# Altium PCB PCB5.PcbDoc (part 13 of 16) (continued)
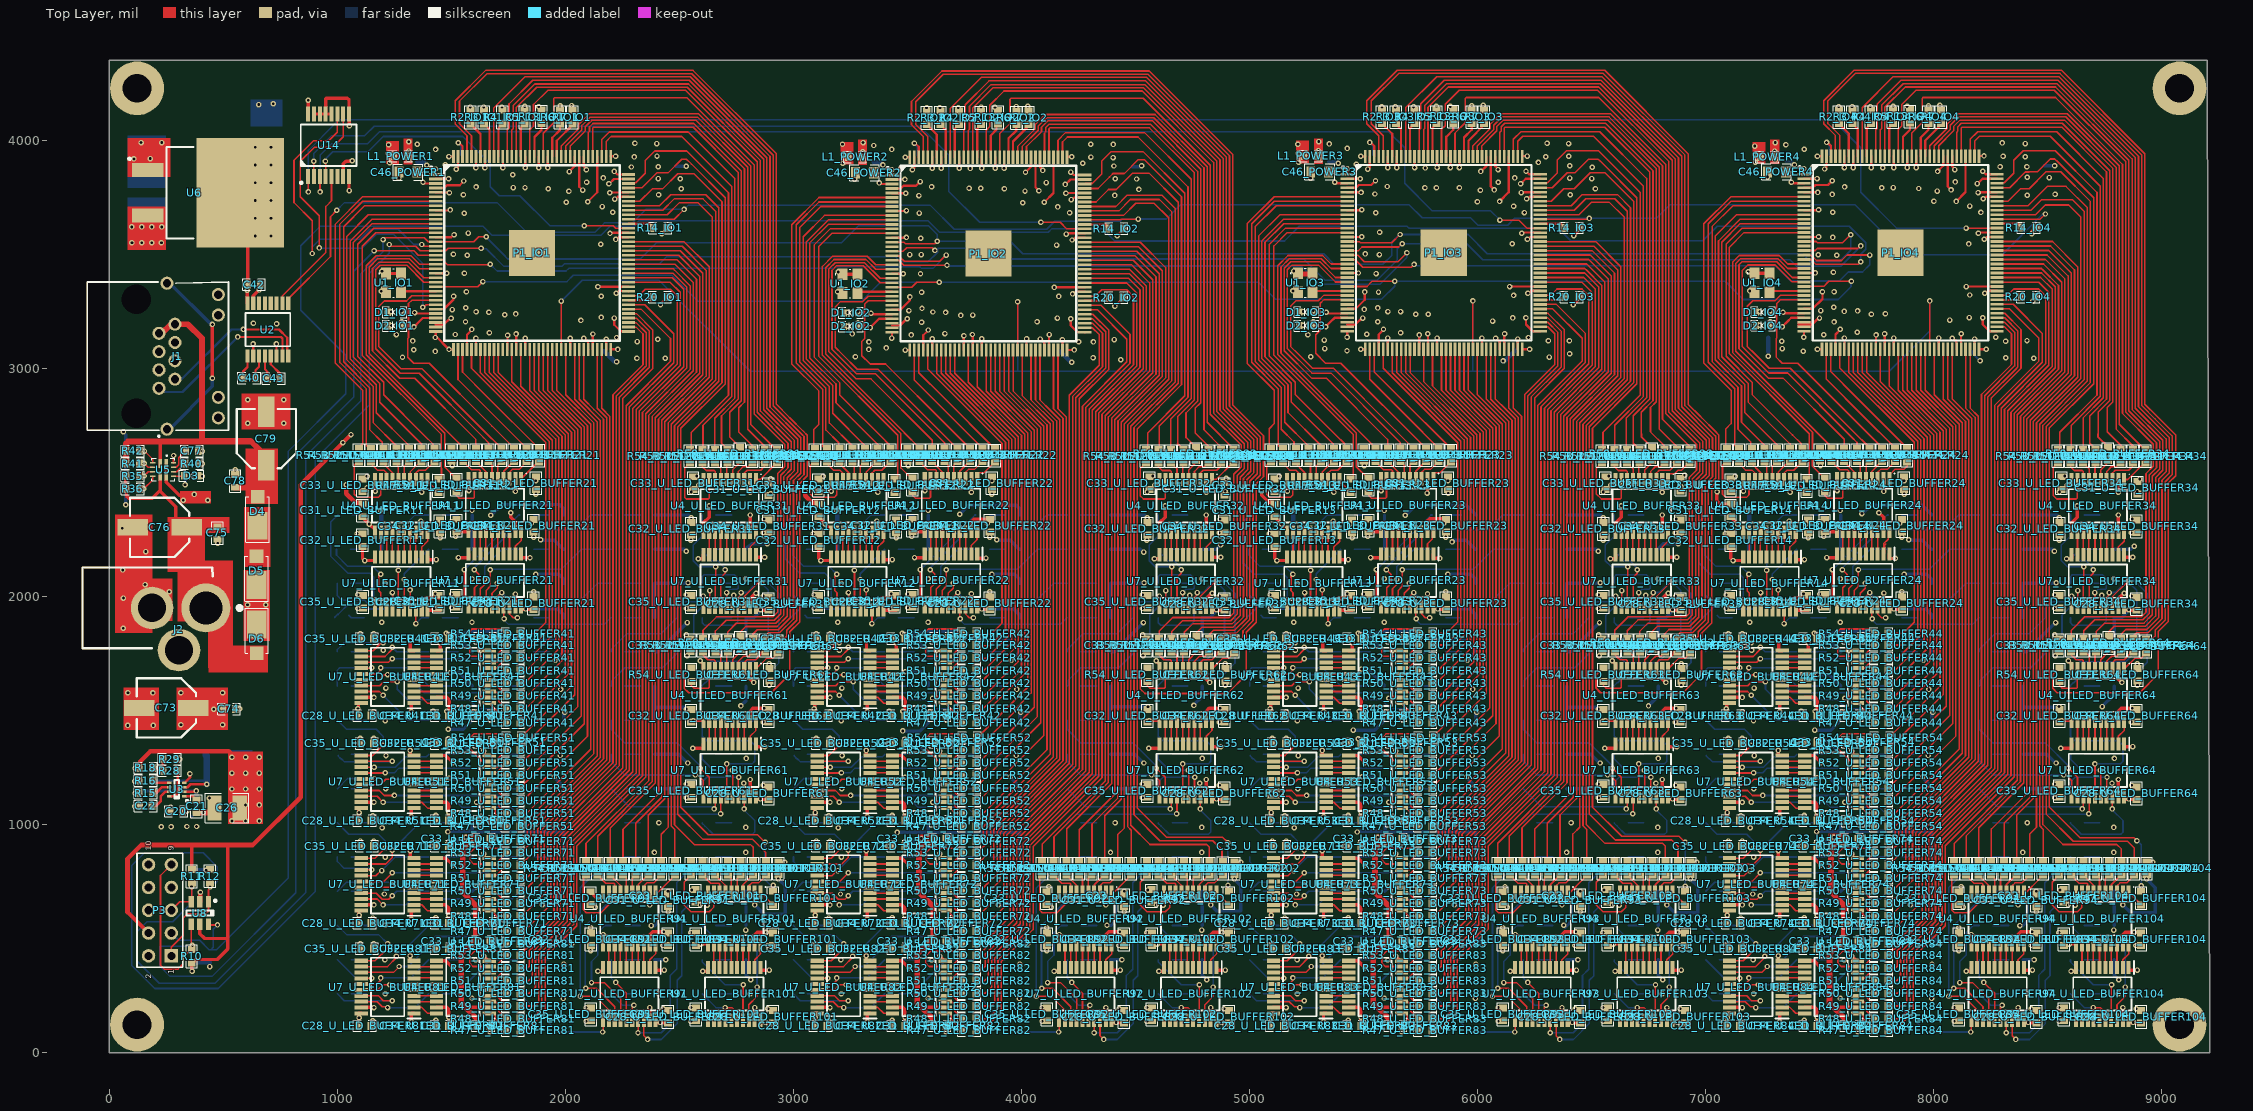
[diagram p0: Top Layer view]
## Nets (pads, with @x,y where several pads share a name; then routed paths per layer and width w, separated by ;. In a path a pad name is that pad's centre, name@x,y a point inside that pad or via, vN(x,y) a via of type N, cw(c..) or ccw(c..) an arc to the next point about the centre after c; other vN are vias at no path point) (continued)
NetU4_U_LED_BUFFER31_18: U4_U_LED_BUFFER31.18 U7_U_LED_BUFFER31.3 | length 98.7
  Top Layer w7: U7_U_LED_BUFFER31.3@2784.61,2182.83 U4_U_LED_BUFFER31.18@2784.61,2281.5
NetU4_U_LED_BUFFER31_20: U4_U_LED_BUFFER31.20 U7_U_LED_BUFFER31.2 | length 109.3
  Top Layer w7: U7_U_LED_BUFFER31.2@2810.2,2182.83 2810.2,2216.73 2835.79,2242.32 U4_U_LED_BUFFER31.20@2835.79,2281.5
NetU4_U_LED_BUFFER32_12: U4_U_LED_BUFFER32.12 U7_U_LED_BUFFER32.9 | length 98.7
  Top Layer w7: U7_U_LED_BUFFER32.9@4631.06,2182.83 U4_U_LED_BUFFER32.12@4631.06,2281.5
NetU4_U_LED_BUFFER32_13: U4_U_LED_BUFFER32.13 U7_U_LED_BUFFER32.8 | length 98.7
  Top Layer w7: U7_U_LED_BUFFER32.8@4656.66,2182.83 U4_U_LED_BUFFER32.13@4656.66,2281.5
NetU4_U_LED_BUFFER32_14: U4_U_LED_BUFFER32.14 U7_U_LED_BUFFER32.7 | length 98.7
  Top Layer w7: U7_U_LED_BUFFER32.7@4680.63,2178.5 U4_U_LED_BUFFER32.14@4680.63,2277.16
NetU4_U_LED_BUFFER32_15: U4_U_LED_BUFFER32.15 U7_U_LED_BUFFER32.6 | length 98.7
  Top Layer w7: U7_U_LED_BUFFER32.6@4707.84,2182.83 U4_U_LED_BUFFER32.15@4707.84,2281.5
NetU4_U_LED_BUFFER32_16: U4_U_LED_BUFFER32.16 U7_U_LED_BUFFER32.5 | length 98.7
  Top Layer w7: U7_U_LED_BUFFER32.5@4733.43,2182.83 U4_U_LED_BUFFER32.16@4733.43,2281.5
NetU4_U_LED_BUFFER32_17: U4_U_LED_BUFFER32.17 U7_U_LED_BUFFER32.4 | length 98.7
  Top Layer w7: U7_U_LED_BUFFER32.4@4759.02,2182.83 U4_U_LED_BUFFER32.17@4759.02,2281.5
NetU4_U_LED_BUFFER32_18: U4_U_LED_BUFFER32.18 U7_U_LED_BUFFER32.3 | length 98.7
  Top Layer w7: U7_U_LED_BUFFER32.3@4784.61,2182.83 U4_U_LED_BUFFER32.18@4784.61,2281.5
NetU4_U_LED_BUFFER32_20: U4_U_LED_BUFFER32.20 U7_U_LED_BUFFER32.2 | length 109.3
  Top Layer w7: U7_U_LED_BUFFER32.2@4810.2,2182.83 4810.2,2216.73 4835.79,2242.32 U4_U_LED_BUFFER32.20@4835.79,2281.5
NetU4_U_LED_BUFFER33_12: U4_U_LED_BUFFER33.12 U7_U_LED_BUFFER33.9 | length 98.7
  Top Layer w7: U7_U_LED_BUFFER33.9@6631.06,2182.83 U4_U_LED_BUFFER33.12@6631.06,2281.5
NetU4_U_LED_BUFFER33_13: U4_U_LED_BUFFER33.13 U7_U_LED_BUFFER33.8 | length 98.7
  Top Layer w7: U7_U_LED_BUFFER33.8@6656.66,2182.83 U4_U_LED_BUFFER33.13@6656.66,2281.5
NetU4_U_LED_BUFFER33_14: U4_U_LED_BUFFER33.14 U7_U_LED_BUFFER33.7 | length 98.7
  Top Layer w7: U7_U_LED_BUFFER33.7@6680.63,2178.5 U4_U_LED_BUFFER33.14@6680.63,2277.16
NetU4_U_LED_BUFFER33_15: U4_U_LED_BUFFER33.15 U7_U_LED_BUFFER33.6 | length 98.7
  Top Layer w7: U7_U_LED_BUFFER33.6@6707.84,2182.83 U4_U_LED_BUFFER33.15@6707.84,2281.5
NetU4_U_LED_BUFFER33_16: U4_U_LED_BUFFER33.16 U7_U_LED_BUFFER33.5 | length 98.7
  Top Layer w7: U7_U_LED_BUFFER33.5@6733.43,2182.83 U4_U_LED_BUFFER33.16@6733.43,2281.5
NetU4_U_LED_BUFFER33_17: U4_U_LED_BUFFER33.17 U7_U_LED_BUFFER33.4 | length 98.7
  Top Layer w7: U7_U_LED_BUFFER33.4@6759.02,2182.83 U4_U_LED_BUFFER33.17@6759.02,2281.5
NetU4_U_LED_BUFFER33_18: U4_U_LED_BUFFER33.18 U7_U_LED_BUFFER33.3 | length 98.7
  Top Layer w7: U7_U_LED_BUFFER33.3@6784.61,2182.83 U4_U_LED_BUFFER33.18@6784.61,2281.5
NetU4_U_LED_BUFFER33_20: U4_U_LED_BUFFER33.20 U7_U_LED_BUFFER33.2 | length 109.3
  Top Layer w7: U7_U_LED_BUFFER33.2@6810.2,2182.83 6810.2,2216.73 6835.79,2242.32 U4_U_LED_BUFFER33.20@6835.79,2281.5
NetU4_U_LED_BUFFER34_12: U4_U_LED_BUFFER34.12 U7_U_LED_BUFFER34.9 | length 98.7
  Top Layer w7: U7_U_LED_BUFFER34.9@8631.06,2182.83 U4_U_LED_BUFFER34.12@8631.06,2281.5
NetU4_U_LED_BUFFER34_13: U4_U_LED_BUFFER34.13 U7_U_LED_BUFFER34.8 | length 98.7
  Top Layer w7: U7_U_LED_BUFFER34.8@8656.66,2182.83 U4_U_LED_BUFFER34.13@8656.66,2281.5
NetU4_U_LED_BUFFER34_14: U4_U_LED_BUFFER34.14 U7_U_LED_BUFFER34.7 | length 98.7
  Top Layer w7: U7_U_LED_BUFFER34.7@8680.63,2178.5 U4_U_LED_BUFFER34.14@8680.63,2277.16
NetU4_U_LED_BUFFER34_15: U4_U_LED_BUFFER34.15 U7_U_LED_BUFFER34.6 | length 98.7
  Top Layer w7: U7_U_LED_BUFFER34.6@8707.84,2182.83 U4_U_LED_BUFFER34.15@8707.84,2281.5
NetU4_U_LED_BUFFER34_16: U4_U_LED_BUFFER34.16 U7_U_LED_BUFFER34.5 | length 98.7
  Top Layer w7: U7_U_LED_BUFFER34.5@8733.43,2182.83 U4_U_LED_BUFFER34.16@8733.43,2281.5
NetU4_U_LED_BUFFER34_17: U4_U_LED_BUFFER34.17 U7_U_LED_BUFFER34.4 | length 98.7
  Top Layer w7: U7_U_LED_BUFFER34.4@8759.02,2182.83 U4_U_LED_BUFFER34.17@8759.02,2281.5
NetU4_U_LED_BUFFER34_18: U4_U_LED_BUFFER34.18 U7_U_LED_BUFFER34.3 | length 98.7
  Top Layer w7: U7_U_LED_BUFFER34.3@8784.61,2182.83 U4_U_LED_BUFFER34.18@8784.61,2281.5
NetU4_U_LED_BUFFER34_20: U4_U_LED_BUFFER34.20 U7_U_LED_BUFFER34.2 | length 109.3
  Top Layer w7: U7_U_LED_BUFFER34.2@8810.2,2182.83 8810.2,2216.73 8835.79,2242.32 U4_U_LED_BUFFER34.20@8835.79,2281.5
NetU4_U_LED_BUFFER41_12: U4_U_LED_BUFFER41.12 U7_U_LED_BUFFER41.9 | length 98.7
  Top Layer w7: U7_U_LED_BUFFER41.9@1336.3,1736.73 U4_U_LED_BUFFER41.12@1434.96,1736.73
NetU4_U_LED_BUFFER41_13: U4_U_LED_BUFFER41.13 U7_U_LED_BUFFER41.8 | length 98.7
  Top Layer w7: U7_U_LED_BUFFER41.8@1336.3,1711.14 U4_U_LED_BUFFER41.13@1434.96,1711.14
NetU4_U_LED_BUFFER41_14: U4_U_LED_BUFFER41.14 U7_U_LED_BUFFER41.7 | length 98.7
  Top Layer w7: U7_U_LED_BUFFER41.7@1331.97,1687.16 U4_U_LED_BUFFER41.14@1430.63,1687.16
NetU4_U_LED_BUFFER41_15: U4_U_LED_BUFFER41.15 U7_U_LED_BUFFER41.6 | length 98.7
  Top Layer w7: U7_U_LED_BUFFER41.6@1336.3,1659.96 U4_U_LED_BUFFER41.15@1434.96,1659.96
NetU4_U_LED_BUFFER41_16: U4_U_LED_BUFFER41.16 U7_U_LED_BUFFER41.5 | length 98.7
  Top Layer w7: U7_U_LED_BUFFER41.5@1336.3,1634.37 U4_U_LED_BUFFER41.16@1434.96,1634.37
NetU4_U_LED_BUFFER41_17: U4_U_LED_BUFFER41.17 U7_U_LED_BUFFER41.4 | length 98.7
  Top Layer w7: U7_U_LED_BUFFER41.4@1336.3,1608.78 U4_U_LED_BUFFER41.17@1434.96,1608.78
NetU4_U_LED_BUFFER41_18: U4_U_LED_BUFFER41.18 U7_U_LED_BUFFER41.3 | length 98.7
  Top Layer w7: U7_U_LED_BUFFER41.3@1336.3,1583.19 U4_U_LED_BUFFER41.18@1434.96,1583.19
NetU4_U_LED_BUFFER41_20: U4_U_LED_BUFFER41.20 U7_U_LED_BUFFER41.2 | length 109.3
  Top Layer w7: U7_U_LED_BUFFER41.2@1336.3,1557.6 1370.2,1557.6 1395.79,1532.01 U4_U_LED_BUFFER41.20@1434.96,1532.01
NetU4_U_LED_BUFFER42_12: U4_U_LED_BUFFER42.12 U7_U_LED_BUFFER42.9 | length 98.7
  Top Layer w7: U7_U_LED_BUFFER42.9@3336.3,1736.73 U4_U_LED_BUFFER42.12@3434.96,1736.73
NetU4_U_LED_BUFFER42_13: U4_U_LED_BUFFER42.13 U7_U_LED_BUFFER42.8 | length 98.7
  Top Layer w7: U7_U_LED_BUFFER42.8@3336.3,1711.14 U4_U_LED_BUFFER42.13@3434.96,1711.14
NetU4_U_LED_BUFFER42_14: U4_U_LED_BUFFER42.14 U7_U_LED_BUFFER42.7 | length 98.7
  Top Layer w7: U7_U_LED_BUFFER42.7@3331.97,1687.16 U4_U_LED_BUFFER42.14@3430.63,1687.16
NetU4_U_LED_BUFFER42_15: U4_U_LED_BUFFER42.15 U7_U_LED_BUFFER42.6 | length 98.7
  Top Layer w7: U7_U_LED_BUFFER42.6@3336.3,1659.96 U4_U_LED_BUFFER42.15@3434.96,1659.96
NetU4_U_LED_BUFFER42_16: U4_U_LED_BUFFER42.16 U7_U_LED_BUFFER42.5 | length 98.7
  Top Layer w7: U7_U_LED_BUFFER42.5@3336.3,1634.37 U4_U_LED_BUFFER42.16@3434.96,1634.37
NetU4_U_LED_BUFFER42_17: U4_U_LED_BUFFER42.17 U7_U_LED_BUFFER42.4 | length 98.7
  Top Layer w7: U7_U_LED_BUFFER42.4@3336.3,1608.78 U4_U_LED_BUFFER42.17@3434.96,1608.78
NetU4_U_LED_BUFFER42_18: U4_U_LED_BUFFER42.18 U7_U_LED_BUFFER42.3 | length 98.7
  Top Layer w7: U7_U_LED_BUFFER42.3@3336.3,1583.19 U4_U_LED_BUFFER42.18@3434.96,1583.19
NetU4_U_LED_BUFFER42_20: U4_U_LED_BUFFER42.20 U7_U_LED_BUFFER42.2 | length 109.3
  Top Layer w7: U7_U_LED_BUFFER42.2@3336.3,1557.6 3370.2,1557.6 3395.79,1532.01 U4_U_LED_BUFFER42.20@3434.96,1532.01
NetU4_U_LED_BUFFER43_12: U4_U_LED_BUFFER43.12 U7_U_LED_BUFFER43.9 | length 98.7
  Top Layer w7: U7_U_LED_BUFFER43.9@5336.3,1736.73 U4_U_LED_BUFFER43.12@5434.96,1736.73
NetU4_U_LED_BUFFER43_13: U4_U_LED_BUFFER43.13 U7_U_LED_BUFFER43.8 | length 98.7
  Top Layer w7: U7_U_LED_BUFFER43.8@5336.3,1711.14 U4_U_LED_BUFFER43.13@5434.96,1711.14
NetU4_U_LED_BUFFER43_14: U4_U_LED_BUFFER43.14 U7_U_LED_BUFFER43.7 | length 98.7
  Top Layer w7: U7_U_LED_BUFFER43.7@5331.97,1687.16 U4_U_LED_BUFFER43.14@5430.63,1687.16
NetU4_U_LED_BUFFER43_15: U4_U_LED_BUFFER43.15 U7_U_LED_BUFFER43.6 | length 98.7
  Top Layer w7: U7_U_LED_BUFFER43.6@5336.3,1659.96 U4_U_LED_BUFFER43.15@5434.96,1659.96
NetU4_U_LED_BUFFER43_16: U4_U_LED_BUFFER43.16 U7_U_LED_BUFFER43.5 | length 98.7
  Top Layer w7: U7_U_LED_BUFFER43.5@5336.3,1634.37 U4_U_LED_BUFFER43.16@5434.96,1634.37
NetU4_U_LED_BUFFER43_17: U4_U_LED_BUFFER43.17 U7_U_LED_BUFFER43.4 | length 98.7
  Top Layer w7: U7_U_LED_BUFFER43.4@5336.3,1608.78 U4_U_LED_BUFFER43.17@5434.96,1608.78
NetU4_U_LED_BUFFER43_18: U4_U_LED_BUFFER43.18 U7_U_LED_BUFFER43.3 | length 98.7
  Top Layer w7: U7_U_LED_BUFFER43.3@5336.3,1583.19 U4_U_LED_BUFFER43.18@5434.96,1583.19
NetU4_U_LED_BUFFER43_20: U4_U_LED_BUFFER43.20 U7_U_LED_BUFFER43.2 | length 109.3
  Top Layer w7: U7_U_LED_BUFFER43.2@5336.3,1557.6 5370.2,1557.6 5395.79,1532.01 U4_U_LED_BUFFER43.20@5434.96,1532.01
NetU4_U_LED_BUFFER44_12: U4_U_LED_BUFFER44.12 U7_U_LED_BUFFER44.9 | length 98.7
  Top Layer w7: U7_U_LED_BUFFER44.9@7336.3,1736.73 U4_U_LED_BUFFER44.12@7434.96,1736.73
NetU4_U_LED_BUFFER44_13: U4_U_LED_BUFFER44.13 U7_U_LED_BUFFER44.8 | length 98.7
  Top Layer w7: U7_U_LED_BUFFER44.8@7336.3,1711.14 U4_U_LED_BUFFER44.13@7434.96,1711.14
NetU4_U_LED_BUFFER44_14: U4_U_LED_BUFFER44.14 U7_U_LED_BUFFER44.7 | length 98.7
  Top Layer w7: U7_U_LED_BUFFER44.7@7331.97,1687.16 U4_U_LED_BUFFER44.14@7430.63,1687.16
NetU4_U_LED_BUFFER44_15: U4_U_LED_BUFFER44.15 U7_U_LED_BUFFER44.6 | length 98.7
  Top Layer w7: U7_U_LED_BUFFER44.6@7336.3,1659.96 U4_U_LED_BUFFER44.15@7434.96,1659.96
NetU4_U_LED_BUFFER44_16: U4_U_LED_BUFFER44.16 U7_U_LED_BUFFER44.5 | length 98.7
  Top Layer w7: U7_U_LED_BUFFER44.5@7336.3,1634.37 U4_U_LED_BUFFER44.16@7434.96,1634.37
NetU4_U_LED_BUFFER44_17: U4_U_LED_BUFFER44.17 U7_U_LED_BUFFER44.4 | length 98.7
  Top Layer w7: U7_U_LED_BUFFER44.4@7336.3,1608.78 U4_U_LED_BUFFER44.17@7434.96,1608.78
NetU4_U_LED_BUFFER44_18: U4_U_LED_BUFFER44.18 U7_U_LED_BUFFER44.3 | length 98.7
  Top Layer w7: U7_U_LED_BUFFER44.3@7336.3,1583.19 U4_U_LED_BUFFER44.18@7434.96,1583.19
NetU4_U_LED_BUFFER44_20: U4_U_LED_BUFFER44.20 U7_U_LED_BUFFER44.2 | length 109.3
  Top Layer w7: U7_U_LED_BUFFER44.2@7336.3,1557.6 7370.2,1557.6 7395.79,1532.01 U4_U_LED_BUFFER44.20@7434.96,1532.01
NetU4_U_LED_BUFFER51_12: U4_U_LED_BUFFER51.12 U7_U_LED_BUFFER51.9 | length 98.7
  Top Layer w7: U7_U_LED_BUFFER51.9@1336.3,1276.73 U4_U_LED_BUFFER51.12@1434.96,1276.73
NetU4_U_LED_BUFFER51_13: U4_U_LED_BUFFER51.13 U7_U_LED_BUFFER51.8 | length 98.7
  Top Layer w7: U7_U_LED_BUFFER51.8@1336.3,1251.14 U4_U_LED_BUFFER51.13@1434.96,1251.14
NetU4_U_LED_BUFFER51_14: U4_U_LED_BUFFER51.14 U7_U_LED_BUFFER51.7 | length 98.7
  Top Layer w7: U7_U_LED_BUFFER51.7@1331.97,1227.16 U4_U_LED_BUFFER51.14@1430.63,1227.16
NetU4_U_LED_BUFFER51_15: U4_U_LED_BUFFER51.15 U7_U_LED_BUFFER51.6 | length 98.7
  Top Layer w7: U7_U_LED_BUFFER51.6@1336.3,1199.96 U4_U_LED_BUFFER51.15@1434.96,1199.96
NetU4_U_LED_BUFFER51_16: U4_U_LED_BUFFER51.16 U7_U_LED_BUFFER51.5 | length 98.7
  Top Layer w7: U7_U_LED_BUFFER51.5@1336.3,1174.37 U4_U_LED_BUFFER51.16@1434.96,1174.37
NetU4_U_LED_BUFFER51_17: U4_U_LED_BUFFER51.17 U7_U_LED_BUFFER51.4 | length 98.7
  Top Layer w7: U7_U_LED_BUFFER51.4@1336.3,1148.78 U4_U_LED_BUFFER51.17@1434.96,1148.78
NetU4_U_LED_BUFFER51_18: U4_U_LED_BUFFER51.18 U7_U_LED_BUFFER51.3 | length 98.7
  Top Layer w7: U7_U_LED_BUFFER51.3@1336.3,1123.19 U4_U_LED_BUFFER51.18@1434.96,1123.19
NetU4_U_LED_BUFFER51_20: U4_U_LED_BUFFER51.20 U7_U_LED_BUFFER51.2 | length 109.3
  Top Layer w7: U7_U_LED_BUFFER51.2@1336.3,1097.6 1370.2,1097.6 1395.79,1072.01 U4_U_LED_BUFFER51.20@1434.96,1072.01
NetU4_U_LED_BUFFER52_12: U4_U_LED_BUFFER52.12 U7_U_LED_BUFFER52.9 | length 98.7
  Top Layer w7: U7_U_LED_BUFFER52.9@3336.3,1276.73 U4_U_LED_BUFFER52.12@3434.96,1276.73
NetU4_U_LED_BUFFER52_13: U4_U_LED_BUFFER52.13 U7_U_LED_BUFFER52.8 | length 98.7
  Top Layer w7: U7_U_LED_BUFFER52.8@3336.3,1251.14 U4_U_LED_BUFFER52.13@3434.96,1251.14
NetU4_U_LED_BUFFER52_14: U4_U_LED_BUFFER52.14 U7_U_LED_BUFFER52.7 | length 98.7
  Top Layer w7: U7_U_LED_BUFFER52.7@3331.97,1227.16 U4_U_LED_BUFFER52.14@3430.63,1227.16
NetU4_U_LED_BUFFER52_15: U4_U_LED_BUFFER52.15 U7_U_LED_BUFFER52.6 | length 98.7
  Top Layer w7: U7_U_LED_BUFFER52.6@3336.3,1199.96 U4_U_LED_BUFFER52.15@3434.96,1199.96
NetU4_U_LED_BUFFER52_16: U4_U_LED_BUFFER52.16 U7_U_LED_BUFFER52.5 | length 98.7
  Top Layer w7: U7_U_LED_BUFFER52.5@3336.3,1174.37 U4_U_LED_BUFFER52.16@3434.96,1174.37
NetU4_U_LED_BUFFER52_17: U4_U_LED_BUFFER52.17 U7_U_LED_BUFFER52.4 | length 98.7
  Top Layer w7: U7_U_LED_BUFFER52.4@3336.3,1148.78 U4_U_LED_BUFFER52.17@3434.96,1148.78
NetU4_U_LED_BUFFER52_18: U4_U_LED_BUFFER52.18 U7_U_LED_BUFFER52.3 | length 98.7
  Top Layer w7: U7_U_LED_BUFFER52.3@3336.3,1123.19 U4_U_LED_BUFFER52.18@3434.96,1123.19
NetU4_U_LED_BUFFER52_20: U4_U_LED_BUFFER52.20 U7_U_LED_BUFFER52.2 | length 109.3
  Top Layer w7: U7_U_LED_BUFFER52.2@3336.3,1097.6 3370.2,1097.6 3395.79,1072.01 U4_U_LED_BUFFER52.20@3434.96,1072.01
NetU4_U_LED_BUFFER53_12: U4_U_LED_BUFFER53.12 U7_U_LED_BUFFER53.9 | length 98.7
  Top Layer w7: U7_U_LED_BUFFER53.9@5336.3,1276.73 U4_U_LED_BUFFER53.12@5434.96,1276.73
NetU4_U_LED_BUFFER53_13: U4_U_LED_BUFFER53.13 U7_U_LED_BUFFER53.8 | length 98.7
  Top Layer w7: U7_U_LED_BUFFER53.8@5336.3,1251.14 U4_U_LED_BUFFER53.13@5434.96,1251.14
NetU4_U_LED_BUFFER53_14: U4_U_LED_BUFFER53.14 U7_U_LED_BUFFER53.7 | length 98.7
  Top Layer w7: U7_U_LED_BUFFER53.7@5331.97,1227.16 U4_U_LED_BUFFER53.14@5430.63,1227.16
NetU4_U_LED_BUFFER53_15: U4_U_LED_BUFFER53.15 U7_U_LED_BUFFER53.6 | length 98.7
  Top Layer w7: U7_U_LED_BUFFER53.6@5336.3,1199.96 U4_U_LED_BUFFER53.15@5434.96,1199.96
NetU4_U_LED_BUFFER53_16: U4_U_LED_BUFFER53.16 U7_U_LED_BUFFER53.5 | length 98.7
  Top Layer w7: U7_U_LED_BUFFER53.5@5336.3,1174.37 U4_U_LED_BUFFER53.16@5434.96,1174.37
NetU4_U_LED_BUFFER53_17: U4_U_LED_BUFFER53.17 U7_U_LED_BUFFER53.4 | length 98.7
  Top Layer w7: U7_U_LED_BUFFER53.4@5336.3,1148.78 U4_U_LED_BUFFER53.17@5434.96,1148.78
NetU4_U_LED_BUFFER53_18: U4_U_LED_BUFFER53.18 U7_U_LED_BUFFER53.3 | length 98.7
  Top Layer w7: U7_U_LED_BUFFER53.3@5336.3,1123.19 U4_U_LED_BUFFER53.18@5434.96,1123.19
NetU4_U_LED_BUFFER53_20: U4_U_LED_BUFFER53.20 U7_U_LED_BUFFER53.2 | length 109.3
  Top Layer w7: U7_U_LED_BUFFER53.2@5336.3,1097.6 5370.2,1097.6 5395.79,1072.01 U4_U_LED_BUFFER53.20@5434.96,1072.01
NetU4_U_LED_BUFFER54_12: U4_U_LED_BUFFER54.12 U7_U_LED_BUFFER54.9 | length 98.7
  Top Layer w7: U7_U_LED_BUFFER54.9@7336.3,1276.73 U4_U_LED_BUFFER54.12@7434.96,1276.73
NetU4_U_LED_BUFFER54_13: U4_U_LED_BUFFER54.13 U7_U_LED_BUFFER54.8 | length 98.7
  Top Layer w7: U7_U_LED_BUFFER54.8@7336.3,1251.14 U4_U_LED_BUFFER54.13@7434.96,1251.14
NetU4_U_LED_BUFFER54_14: U4_U_LED_BUFFER54.14 U7_U_LED_BUFFER54.7 | length 98.7
  Top Layer w7: U7_U_LED_BUFFER54.7@7331.97,1227.16 U4_U_LED_BUFFER54.14@7430.63,1227.16
NetU4_U_LED_BUFFER54_15: U4_U_LED_BUFFER54.15 U7_U_LED_BUFFER54.6 | length 98.7
  Top Layer w7: U7_U_LED_BUFFER54.6@7336.3,1199.96 U4_U_LED_BUFFER54.15@7434.96,1199.96
NetU4_U_LED_BUFFER54_16: U4_U_LED_BUFFER54.16 U7_U_LED_BUFFER54.5 | length 98.7
  Top Layer w7: U7_U_LED_BUFFER54.5@7336.3,1174.37 U4_U_LED_BUFFER54.16@7434.96,1174.37
NetU4_U_LED_BUFFER54_17: U4_U_LED_BUFFER54.17 U7_U_LED_BUFFER54.4 | length 98.7
  Top Layer w7: U7_U_LED_BUFFER54.4@7336.3,1148.78 U4_U_LED_BUFFER54.17@7434.96,1148.78
NetU4_U_LED_BUFFER54_18: U4_U_LED_BUFFER54.18 U7_U_LED_BUFFER54.3 | length 98.7
  Top Layer w7: U7_U_LED_BUFFER54.3@7336.3,1123.19 U4_U_LED_BUFFER54.18@7434.96,1123.19
NetU4_U_LED_BUFFER54_20: U4_U_LED_BUFFER54.20 U7_U_LED_BUFFER54.2 | length 109.3
  Top Layer w7: U7_U_LED_BUFFER54.2@7336.3,1097.6 7370.2,1097.6 7395.79,1072.01 U4_U_LED_BUFFER54.20@7434.96,1072.01
NetU4_U_LED_BUFFER61_12: U4_U_LED_BUFFER61.12 U7_U_LED_BUFFER61.9 | length 98.7
  Top Layer w7: U7_U_LED_BUFFER61.9@2631.06,1352.83 U4_U_LED_BUFFER61.12@2631.06,1451.5
NetU4_U_LED_BUFFER61_13: U4_U_LED_BUFFER61.13 U7_U_LED_BUFFER61.8 | length 98.7
  Top Layer w7: U7_U_LED_BUFFER61.8@2656.66,1352.83 U4_U_LED_BUFFER61.13@2656.66,1451.5
NetU4_U_LED_BUFFER61_14: U4_U_LED_BUFFER61.14 U7_U_LED_BUFFER61.7 | length 98.7
  Top Layer w7: U7_U_LED_BUFFER61.7@2680.63,1348.5 U4_U_LED_BUFFER61.14@2680.63,1447.16
NetU4_U_LED_BUFFER61_15: U4_U_LED_BUFFER61.15 U7_U_LED_BUFFER61.6 | length 98.7
  Top Layer w7: U7_U_LED_BUFFER61.6@2707.84,1352.83 U4_U_LED_BUFFER61.15@2707.84,1451.5
NetU4_U_LED_BUFFER61_16: U4_U_LED_BUFFER61.16 U7_U_LED_BUFFER61.5 | length 98.7
  Top Layer w7: U7_U_LED_BUFFER61.5@2733.43,1352.83 U4_U_LED_BUFFER61.16@2733.43,1451.5
NetU4_U_LED_BUFFER61_17: U4_U_LED_BUFFER61.17 U7_U_LED_BUFFER61.4 | length 98.7
  Top Layer w7: U7_U_LED_BUFFER61.4@2759.02,1352.83 U4_U_LED_BUFFER61.17@2759.02,1451.5
NetU4_U_LED_BUFFER61_18: U4_U_LED_BUFFER61.18 U7_U_LED_BUFFER61.3 | length 98.7
  Top Layer w7: U7_U_LED_BUFFER61.3@2784.61,1352.83 U4_U_LED_BUFFER61.18@2784.61,1451.5
NetU4_U_LED_BUFFER61_20: U4_U_LED_BUFFER61.20 U7_U_LED_BUFFER61.2 | length 109.3
  Top Layer w7: U7_U_LED_BUFFER61.2@2810.2,1352.83 2810.2,1386.73 2835.79,1412.32 U4_U_LED_BUFFER61.20@2835.79,1451.5
NetU4_U_LED_BUFFER62_12: U4_U_LED_BUFFER62.12 U7_U_LED_BUFFER62.9 | length 98.7
  Top Layer w7: U7_U_LED_BUFFER62.9@4631.06,1352.83 U4_U_LED_BUFFER62.12@4631.06,1451.5
NetU4_U_LED_BUFFER62_13: U4_U_LED_BUFFER62.13 U7_U_LED_BUFFER62.8 | length 98.7
  Top Layer w7: U7_U_LED_BUFFER62.8@4656.66,1352.83 U4_U_LED_BUFFER62.13@4656.66,1451.5
NetU4_U_LED_BUFFER62_14: U4_U_LED_BUFFER62.14 U7_U_LED_BUFFER62.7 | length 98.7
  Top Layer w7: U7_U_LED_BUFFER62.7@4680.63,1348.5 U4_U_LED_BUFFER62.14@4680.63,1447.16
NetU4_U_LED_BUFFER62_15: U4_U_LED_BUFFER62.15 U7_U_LED_BUFFER62.6 | length 98.7
  Top Layer w7: U7_U_LED_BUFFER62.6@4707.84,1352.83 U4_U_LED_BUFFER62.15@4707.84,1451.5
NetU4_U_LED_BUFFER62_16: U4_U_LED_BUFFER62.16 U7_U_LED_BUFFER62.5 | length 98.7
  Top Layer w7: U7_U_LED_BUFFER62.5@4733.43,1352.83 U4_U_LED_BUFFER62.16@4733.43,1451.5
NetU4_U_LED_BUFFER62_17: U4_U_LED_BUFFER62.17 U7_U_LED_BUFFER62.4 | length 98.7
  Top Layer w7: U7_U_LED_BUFFER62.4@4759.02,1352.83 U4_U_LED_BUFFER62.17@4759.02,1451.5
NetU4_U_LED_BUFFER62_18: U4_U_LED_BUFFER62.18 U7_U_LED_BUFFER62.3 | length 98.7
  Top Layer w7: U7_U_LED_BUFFER62.3@4784.61,1352.83 U4_U_LED_BUFFER62.18@4784.61,1451.5
NetU4_U_LED_BUFFER62_20: U4_U_LED_BUFFER62.20 U7_U_LED_BUFFER62.2 | length 109.3
  Top Layer w7: U7_U_LED_BUFFER62.2@4810.2,1352.83 4810.2,1386.73 4835.79,1412.32 U4_U_LED_BUFFER62.20@4835.79,1451.5
NetU4_U_LED_BUFFER63_12: U4_U_LED_BUFFER63.12 U7_U_LED_BUFFER63.9 | length 98.7
  Top Layer w7: U7_U_LED_BUFFER63.9@6631.06,1352.83 U4_U_LED_BUFFER63.12@6631.06,1451.5
NetU4_U_LED_BUFFER63_13: U4_U_LED_BUFFER63.13 U7_U_LED_BUFFER63.8 | length 98.7
  Top Layer w7: U7_U_LED_BUFFER63.8@6656.66,1352.83 U4_U_LED_BUFFER63.13@6656.66,1451.5
NetU4_U_LED_BUFFER63_14: U4_U_LED_BUFFER63.14 U7_U_LED_BUFFER63.7 | length 98.7
  Top Layer w7: U7_U_LED_BUFFER63.7@6680.63,1348.5 U4_U_LED_BUFFER63.14@6680.63,1447.16
NetU4_U_LED_BUFFER63_15: U4_U_LED_BUFFER63.15 U7_U_LED_BUFFER63.6 | length 98.7
  Top Layer w7: U7_U_LED_BUFFER63.6@6707.84,1352.83 U4_U_LED_BUFFER63.15@6707.84,1451.5
NetU4_U_LED_BUFFER63_16: U4_U_LED_BUFFER63.16 U7_U_LED_BUFFER63.5 | length 98.7
  Top Layer w7: U7_U_LED_BUFFER63.5@6733.43,1352.83 U4_U_LED_BUFFER63.16@6733.43,1451.5
NetU4_U_LED_BUFFER63_17: U4_U_LED_BUFFER63.17 U7_U_LED_BUFFER63.4 | length 98.7
  Top Layer w7: U7_U_LED_BUFFER63.4@6759.02,1352.83 U4_U_LED_BUFFER63.17@6759.02,1451.5
NetU4_U_LED_BUFFER63_18: U4_U_LED_BUFFER63.18 U7_U_LED_BUFFER63.3 | length 98.7
  Top Layer w7: U7_U_LED_BUFFER63.3@6784.61,1352.83 U4_U_LED_BUFFER63.18@6784.61,1451.5
NetU4_U_LED_BUFFER63_20: U4_U_LED_BUFFER63.20 U7_U_LED_BUFFER63.2 | length 109.3
  Top Layer w7: U7_U_LED_BUFFER63.2@6810.2,1352.83 6810.2,1386.73 6835.79,1412.32 U4_U_LED_BUFFER63.20@6835.79,1451.5
NetU4_U_LED_BUFFER64_12: U4_U_LED_BUFFER64.12 U7_U_LED_BUFFER64.9 | length 98.7
  Top Layer w7: U7_U_LED_BUFFER64.9@8631.06,1352.83 U4_U_LED_BUFFER64.12@8631.06,1451.5
NetU4_U_LED_BUFFER64_13: U4_U_LED_BUFFER64.13 U7_U_LED_BUFFER64.8 | length 98.7
  Top Layer w7: U7_U_LED_BUFFER64.8@8656.66,1352.83 U4_U_LED_BUFFER64.13@8656.66,1451.5
NetU4_U_LED_BUFFER64_14: U4_U_LED_BUFFER64.14 U7_U_LED_BUFFER64.7 | length 98.7
  Top Layer w7: U7_U_LED_BUFFER64.7@8680.63,1348.5 U4_U_LED_BUFFER64.14@8680.63,1447.16
NetU4_U_LED_BUFFER64_15: U4_U_LED_BUFFER64.15 U7_U_LED_BUFFER64.6 | length 98.7
  Top Layer w7: U7_U_LED_BUFFER64.6@8707.84,1352.83 U4_U_LED_BUFFER64.15@8707.84,1451.5
NetU4_U_LED_BUFFER64_16: U4_U_LED_BUFFER64.16 U7_U_LED_BUFFER64.5 | length 98.7
  Top Layer w7: U7_U_LED_BUFFER64.5@8733.43,1352.83 U4_U_LED_BUFFER64.16@8733.43,1451.5
NetU4_U_LED_BUFFER64_17: U4_U_LED_BUFFER64.17 U7_U_LED_BUFFER64.4 | length 98.7
  Top Layer w7: U7_U_LED_BUFFER64.4@8759.02,1352.83 U4_U_LED_BUFFER64.17@8759.02,1451.5
NetU4_U_LED_BUFFER64_18: U4_U_LED_BUFFER64.18 U7_U_LED_BUFFER64.3 | length 98.7
  Top Layer w7: U7_U_LED_BUFFER64.3@8784.61,1352.83 U4_U_LED_BUFFER64.18@8784.61,1451.5
NetU4_U_LED_BUFFER64_20: U4_U_LED_BUFFER64.20 U7_U_LED_BUFFER64.2 | length 109.3
  Top Layer w7: U7_U_LED_BUFFER64.2@8810.2,1352.83 8810.2,1386.73 8835.79,1412.32 U4_U_LED_BUFFER64.20@8835.79,1451.5
NetU4_U_LED_BUFFER71_12: U4_U_LED_BUFFER71.12 U7_U_LED_BUFFER71.9 | length 98.7
  Top Layer w7: U7_U_LED_BUFFER71.9@1336.3,826.73 U4_U_LED_BUFFER71.12@1434.96,826.73
NetU4_U_LED_BUFFER71_13: U4_U_LED_BUFFER71.13 U7_U_LED_BUFFER71.8 | length 98.7
  Top Layer w7: U7_U_LED_BUFFER71.8@1336.3,801.14 U4_U_LED_BUFFER71.13@1434.96,801.14
NetU4_U_LED_BUFFER71_14: U4_U_LED_BUFFER71.14 U7_U_LED_BUFFER71.7 | length 98.7
  Top Layer w7: U7_U_LED_BUFFER71.7@1331.97,777.16 U4_U_LED_BUFFER71.14@1430.63,777.16
NetU4_U_LED_BUFFER71_15: U4_U_LED_BUFFER71.15 U7_U_LED_BUFFER71.6 | length 98.7
  Top Layer w7: U7_U_LED_BUFFER71.6@1336.3,749.96 U4_U_LED_BUFFER71.15@1434.96,749.96
NetU4_U_LED_BUFFER71_16: U4_U_LED_BUFFER71.16 U7_U_LED_BUFFER71.5 | length 98.7
  Top Layer w7: U7_U_LED_BUFFER71.5@1336.3,724.37 U4_U_LED_BUFFER71.16@1434.96,724.37
NetU4_U_LED_BUFFER71_17: U4_U_LED_BUFFER71.17 U7_U_LED_BUFFER71.4 | length 98.7
  Top Layer w7: U7_U_LED_BUFFER71.4@1336.3,698.78 U4_U_LED_BUFFER71.17@1434.96,698.78
NetU4_U_LED_BUFFER71_18: U4_U_LED_BUFFER71.18 U7_U_LED_BUFFER71.3 | length 98.7
  Top Layer w7: U7_U_LED_BUFFER71.3@1336.3,673.19 U4_U_LED_BUFFER71.18@1434.96,673.19
NetU4_U_LED_BUFFER71_20: U4_U_LED_BUFFER71.20 U7_U_LED_BUFFER71.2 | length 109.3
  Top Layer w7: U7_U_LED_BUFFER71.2@1336.3,647.6 1370.2,647.6 1395.79,622.01 U4_U_LED_BUFFER71.20@1434.96,622.01
NetU4_U_LED_BUFFER72_12: U4_U_LED_BUFFER72.12 U7_U_LED_BUFFER72.9 | length 98.7
  Top Layer w7: U7_U_LED_BUFFER72.9@3336.3,826.73 U4_U_LED_BUFFER72.12@3434.96,826.73
NetU4_U_LED_BUFFER72_13: U4_U_LED_BUFFER72.13 U7_U_LED_BUFFER72.8 | length 98.7
  Top Layer w7: U7_U_LED_BUFFER72.8@3336.3,801.14 U4_U_LED_BUFFER72.13@3434.96,801.14
NetU4_U_LED_BUFFER72_14: U4_U_LED_BUFFER72.14 U7_U_LED_BUFFER72.7 | length 98.7
  Top Layer w7: U7_U_LED_BUFFER72.7@3331.97,777.16 U4_U_LED_BUFFER72.14@3430.63,777.16
NetU4_U_LED_BUFFER72_15: U4_U_LED_BUFFER72.15 U7_U_LED_BUFFER72.6 | length 98.7
  Top Layer w7: U7_U_LED_BUFFER72.6@3336.3,749.96 U4_U_LED_BUFFER72.15@3434.96,749.96
NetU4_U_LED_BUFFER72_16: U4_U_LED_BUFFER72.16 U7_U_LED_BUFFER72.5 | length 98.7
  Top Layer w7: U7_U_LED_BUFFER72.5@3336.3,724.37 U4_U_LED_BUFFER72.16@3434.96,724.37
NetU4_U_LED_BUFFER72_17: U4_U_LED_BUFFER72.17 U7_U_LED_BUFFER72.4 | length 98.7
  Top Layer w7: U7_U_LED_BUFFER72.4@3336.3,698.78 U4_U_LED_BUFFER72.17@3434.96,698.78
NetU4_U_LED_BUFFER72_18: U4_U_LED_BUFFER72.18 U7_U_LED_BUFFER72.3 | length 98.7
  Top Layer w7: U7_U_LED_BUFFER72.3@3336.3,673.19 U4_U_LED_BUFFER72.18@3434.96,673.19
NetU4_U_LED_BUFFER72_20: U4_U_LED_BUFFER72.20 U7_U_LED_BUFFER72.2 | length 109.3
  Top Layer w7: U7_U_LED_BUFFER72.2@3336.3,647.6 3370.2,647.6 3395.79,622.01 U4_U_LED_BUFFER72.20@3434.96,622.01
NetU4_U_LED_BUFFER73_12: U4_U_LED_BUFFER73.12 U7_U_LED_BUFFER73.9 | length 98.7
  Top Layer w7: U7_U_LED_BUFFER73.9@5336.3,826.73 U4_U_LED_BUFFER73.12@5434.96,826.73
NetU4_U_LED_BUFFER73_13: U4_U_LED_BUFFER73.13 U7_U_LED_BUFFER73.8 | length 98.7
  Top Layer w7: U7_U_LED_BUFFER73.8@5336.3,801.14 U4_U_LED_BUFFER73.13@5434.96,801.14
NetU4_U_LED_BUFFER73_14: U4_U_LED_BUFFER73.14 U7_U_LED_BUFFER73.7 | length 98.7
  Top Layer w7: U7_U_LED_BUFFER73.7@5331.97,777.16 U4_U_LED_BUFFER73.14@5430.63,777.16
NetU4_U_LED_BUFFER73_15: U4_U_LED_BUFFER73.15 U7_U_LED_BUFFER73.6 | length 98.7
  Top Layer w7: U7_U_LED_BUFFER73.6@5336.3,749.96 U4_U_LED_BUFFER73.15@5434.96,749.96
NetU4_U_LED_BUFFER73_16: U4_U_LED_BUFFER73.16 U7_U_LED_BUFFER73.5 | length 98.7
  Top Layer w7: U7_U_LED_BUFFER73.5@5336.3,724.37 U4_U_LED_BUFFER73.16@5434.96,724.37
NetU4_U_LED_BUFFER73_17: U4_U_LED_BUFFER73.17 U7_U_LED_BUFFER73.4 | length 98.7
  Top Layer w7: U7_U_LED_BUFFER73.4@5336.3,698.78 U4_U_LED_BUFFER73.17@5434.96,698.78
NetU4_U_LED_BUFFER73_18: U4_U_LED_BUFFER73.18 U7_U_LED_BUFFER73.3 | length 98.7
  Top Layer w7: U7_U_LED_BUFFER73.3@5336.3,673.19 U4_U_LED_BUFFER73.18@5434.96,673.19
NetU4_U_LED_BUFFER73_20: U4_U_LED_BUFFER73.20 U7_U_LED_BUFFER73.2 | length 109.3
  Top Layer w7: U7_U_LED_BUFFER73.2@5336.3,647.6 5370.2,647.6 5395.79,622.01 U4_U_LED_BUFFER73.20@5434.96,622.01
NetU4_U_LED_BUFFER74_12: U4_U_LED_BUFFER74.12 U7_U_LED_BUFFER74.9 | length 98.7
  Top Layer w7: U7_U_LED_BUFFER74.9@7336.3,826.73 U4_U_LED_BUFFER74.12@7434.96,826.73
NetU4_U_LED_BUFFER74_13: U4_U_LED_BUFFER74.13 U7_U_LED_BUFFER74.8 | length 98.7
  Top Layer w7: U7_U_LED_BUFFER74.8@7336.3,801.14 U4_U_LED_BUFFER74.13@7434.96,801.14
NetU4_U_LED_BUFFER74_14: U4_U_LED_BUFFER74.14 U7_U_LED_BUFFER74.7 | length 98.7
  Top Layer w7: U7_U_LED_BUFFER74.7@7331.97,777.16 U4_U_LED_BUFFER74.14@7430.63,777.16
NetU4_U_LED_BUFFER74_15: U4_U_LED_BUFFER74.15 U7_U_LED_BUFFER74.6 | length 98.7
  Top Layer w7: U7_U_LED_BUFFER74.6@7336.3,749.96 U4_U_LED_BUFFER74.15@7434.96,749.96
NetU4_U_LED_BUFFER74_16: U4_U_LED_BUFFER74.16 U7_U_LED_BUFFER74.5 | length 98.7
  Top Layer w7: U7_U_LED_BUFFER74.5@7336.3,724.37 U4_U_LED_BUFFER74.16@7434.96,724.37
NetU4_U_LED_BUFFER74_17: U4_U_LED_BUFFER74.17 U7_U_LED_BUFFER74.4 | length 98.7
  Top Layer w7: U7_U_LED_BUFFER74.4@7336.3,698.78 U4_U_LED_BUFFER74.17@7434.96,698.78
NetU4_U_LED_BUFFER74_18: U4_U_LED_BUFFER74.18 U7_U_LED_BUFFER74.3 | length 98.7
  Top Layer w7: U7_U_LED_BUFFER74.3@7336.3,673.19 U4_U_LED_BUFFER74.18@7434.96,673.19
NetU4_U_LED_BUFFER74_20: U4_U_LED_BUFFER74.20 U7_U_LED_BUFFER74.2 | length 109.3
  Top Layer w7: U7_U_LED_BUFFER74.2@7336.3,647.6 7370.2,647.6 7395.79,622.01 U4_U_LED_BUFFER74.20@7434.96,622.01
NetU4_U_LED_BUFFER81_12: U4_U_LED_BUFFER81.12 U7_U_LED_BUFFER81.9 | length 98.7
  Top Layer w7: U7_U_LED_BUFFER81.9@1336.3,376.73 U4_U_LED_BUFFER81.12@1434.96,376.73
NetU4_U_LED_BUFFER81_13: U4_U_LED_BUFFER81.13 U7_U_LED_BUFFER81.8 | length 98.7
  Top Layer w7: U7_U_LED_BUFFER81.8@1336.3,351.14 U4_U_LED_BUFFER81.13@1434.96,351.14
NetU4_U_LED_BUFFER81_14: U4_U_LED_BUFFER81.14 U7_U_LED_BUFFER81.7 | length 98.7
  Top Layer w7: U7_U_LED_BUFFER81.7@1331.97,327.16 U4_U_LED_BUFFER81.14@1430.63,327.16
NetU4_U_LED_BUFFER81_15: U4_U_LED_BUFFER81.15 U7_U_LED_BUFFER81.6 | length 98.7
  Top Layer w7: U7_U_LED_BUFFER81.6@1336.3,299.96 U4_U_LED_BUFFER81.15@1434.96,299.96